# Altium PCB rev3.PcbDoc (part 5 of 7)
Units mil, origin at the board's own origin, x right, y up, seen from the top; angles counter-clockwise.
Board outline 1000 x 800 mil, 2 copper layers (Top Layer, Bottom Layer); 273 components, 16 nets, 2912 pads, 0 vias.
Unrouted connection lines stored in the file: 16.
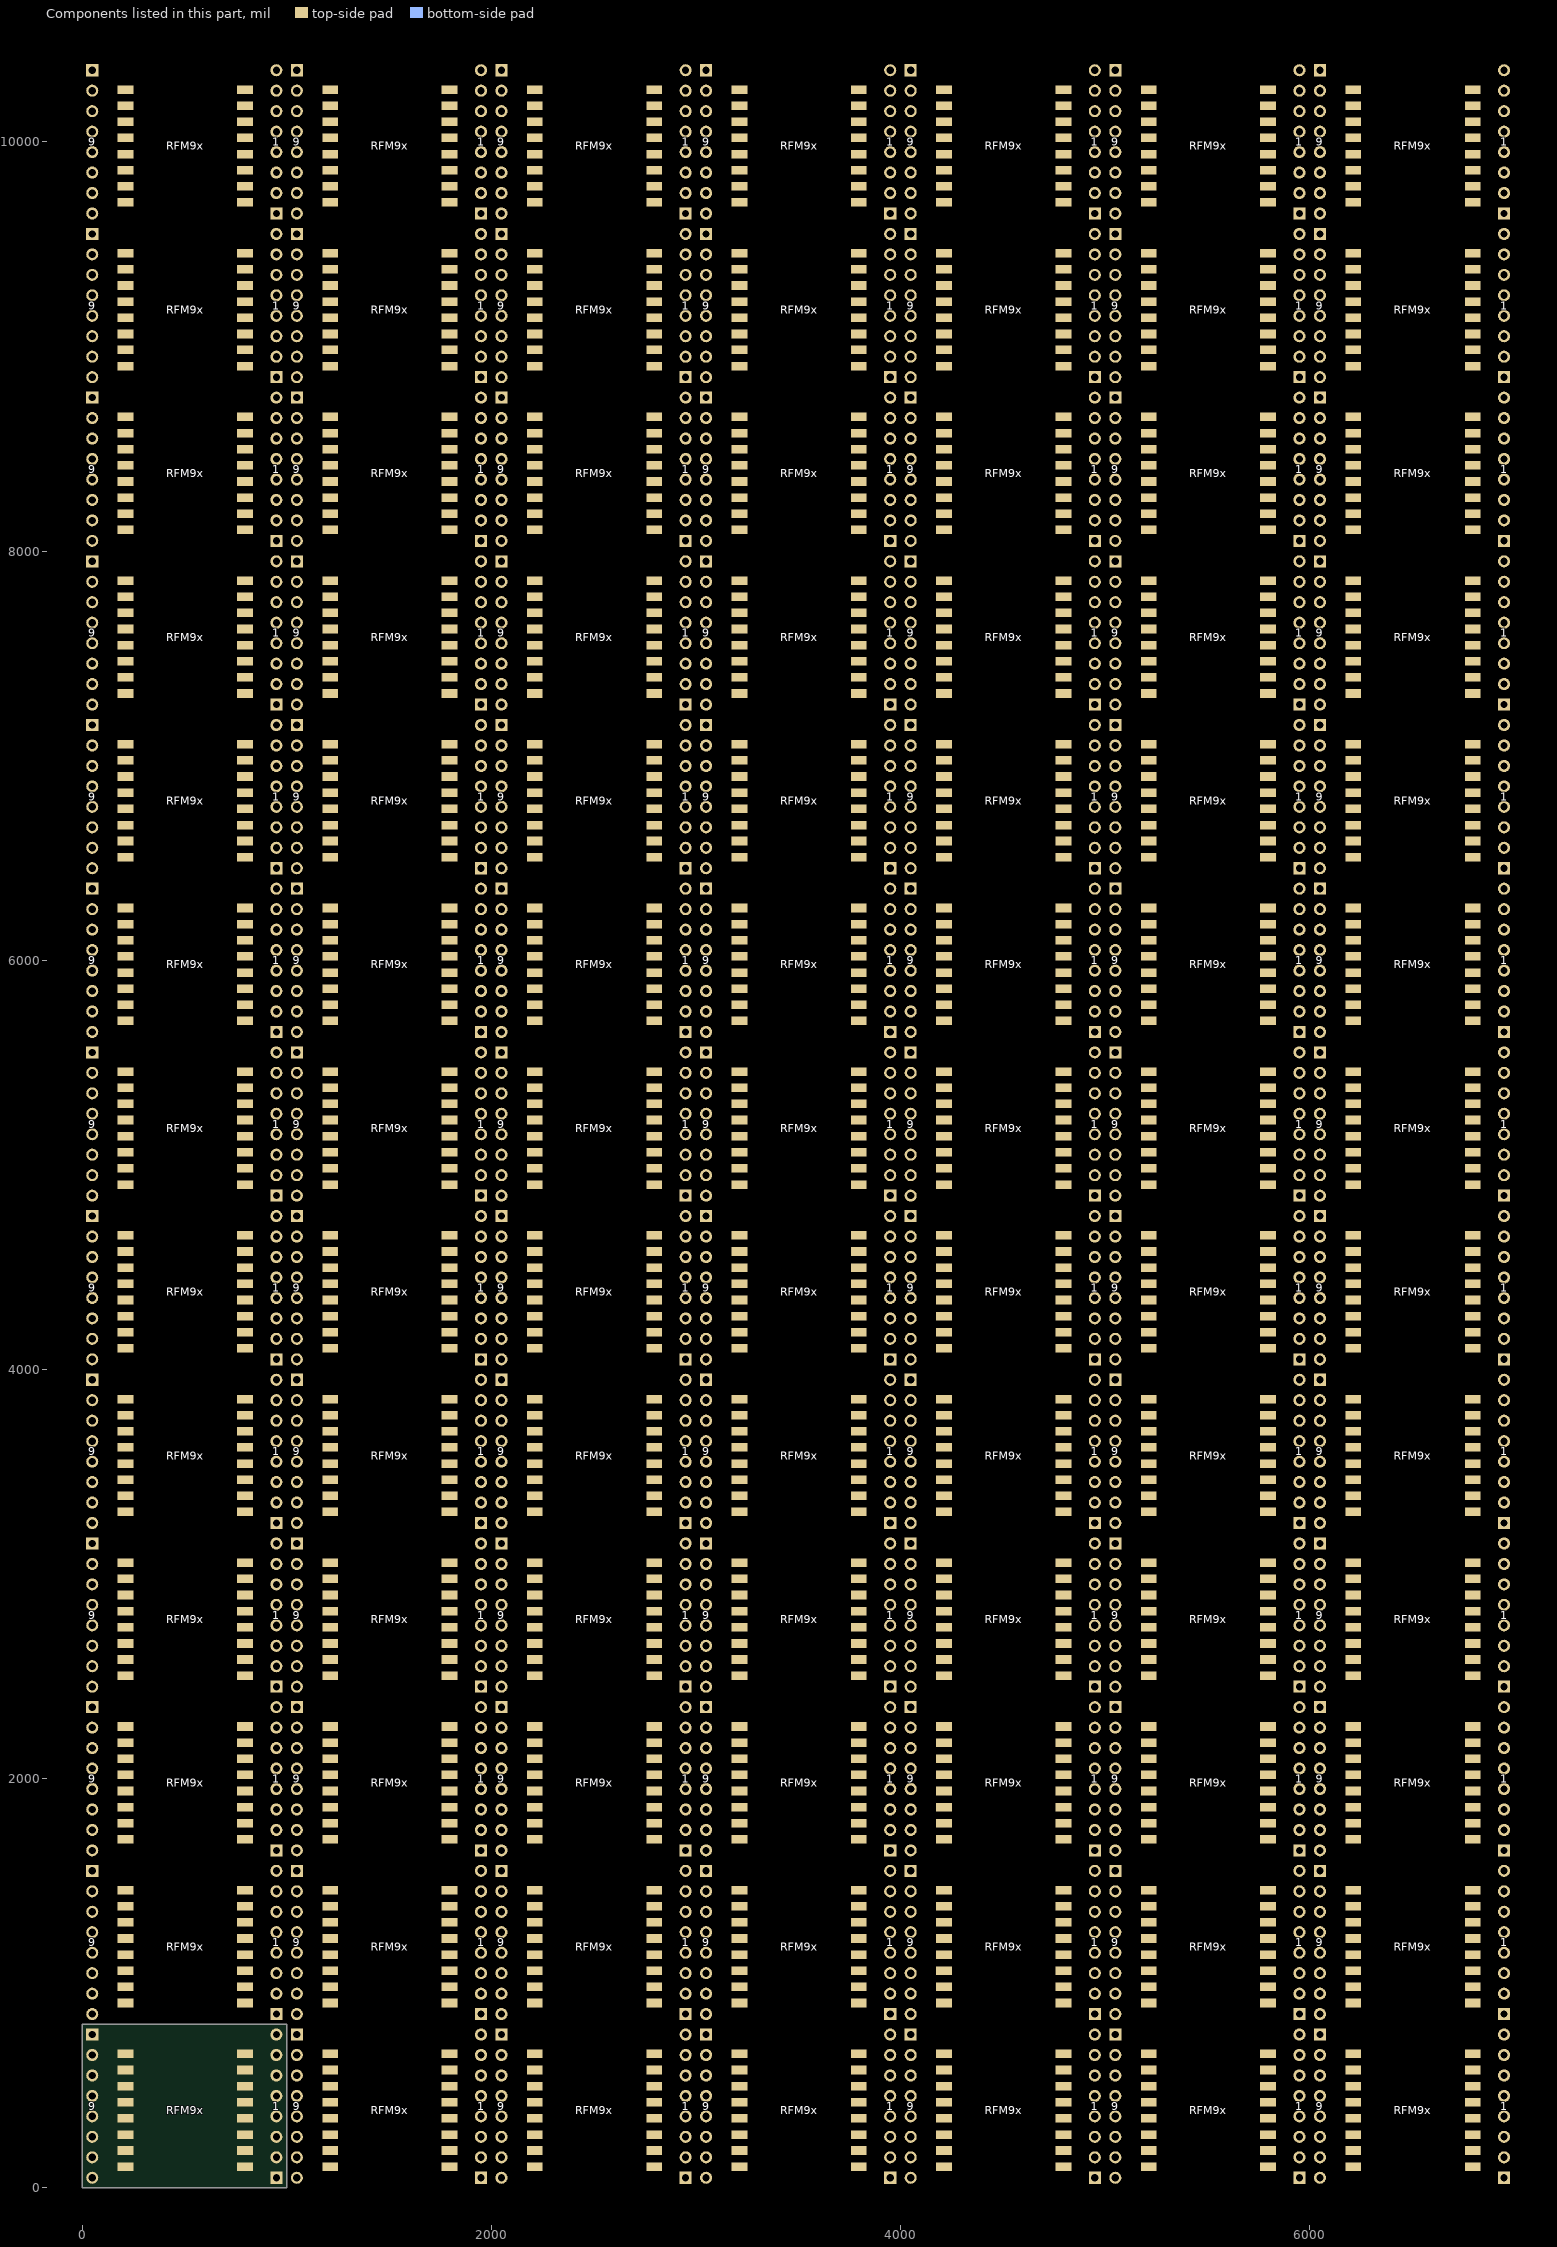
[diagram p5: the components of this part, seen from the top]

## Nets (pads, with @x,y where several pads share a name; then routed paths per layer and width w, separated by ;. In a path a pad name is that pad's centre, name@x,y a point inside that pad or via, vN(x,y) a via of type N, cw(c..) or ccw(c..) an arc to the next point about the centre after c; other vN are vias at no path point) (continued)
copper on no net: (continued)
  Top Layer w32: 4792,499 4889,499 4940,550 4950,550 ; 4792,577 4840.38,577 4878.5,615.12 4878.5,618.5 4910,650 4950,650 ; 4792,656 4886,750 4950,750 ; 4792,904.41 4846.41,850 4950,850 ; 4792,983.15 4840.64,983.15 4873.79,950 4950,950 ; 4792,1061.89 4840.64,1061.89 4852.53,1050 4950,1050 4950,1052.15 ; 4792,1140.63 4940.63,1140.63 4950,1150 ; 4792,1220 4797.18,1214.82 4905.18,1214.82 4940.36,1250 4950,1250 ; 4792,1299 4889,1299 4940,1350 4950,1350 ; 4792,1377 4840.38,1377 4878.5,1415.12 4878.5,1418.5 4910,1450 4950,1450 ; 4792,1456 4886,1550 4950,1550 ; 4792,1704.41 4846.41,1650 4950,1650 ; 4792,1783.15 4840.64,1783.15 4873.79,1750 4950,1750 ; 4792,1861.89 4840.64,1861.89 4852.53,1850 4950,1850 4950,1852.15 ; 4792,1940.63 4940.63,1940.63 4950,1950 ; 4792,2020 4797.18,2014.82 4905.18,2014.82 4940.36,2050 4950,2050 ; 4792,2099 4889,2099 4940,2150 4950,2150 ; 4792,2177 4840.38,2177 4878.5,2215.12 4878.5,2218.5 4910,2250 4950,2250 ; 4792,2256 4886,2350 4950,2350 ; 4792,2504.41 4846.41,2450 4950,2450 ; 4792,2583.15 4840.64,2583.15 4873.79,2550 4950,2550 ; 4792,2661.89 4840.64,2661.89 4852.53,2650 4950,2650 4950,2652.15 ; 4792,2740.63 4940.63,2740.63 4950,2750 ; 4792,2820 4797.18,2814.82 4905.18,2814.82 4940.36,2850 4950,2850 ; 4792,2899 4889,2899 4940,2950 4950,2950 ; 4792,2977 4840.38,2977 4878.5,3015.12 4878.5,3018.5 4910,3050 4950,3050 ; 4792,3056 4886,3150 4950,3150 ; 4792,3304.41 4846.41,3250 4950,3250 ; 4792,3383.15 4840.64,3383.15 4873.79,3350 4950,3350 ; 4792,3461.89 4840.64,3461.89 4852.53,3450 4950,3450 4950,3452.15 ; 4792,3540.63 4940.63,3540.63 4950,3550 ; 4792,3620 4797.18,3614.82 4905.18,3614.82 4940.36,3650 4950,3650 ; 4792,3699 4889,3699 4940,3750 4950,3750 ; 4792,3777 4840.38,3777 4878.5,3815.12 4878.5,3818.5 4910,3850 4950,3850 ; 4792,3856 4886,3950 4950,3950 ; 4792,4104.41 4846.41,4050 4950,4050 ; 4792,4183.15 4840.64,4183.15 4873.79,4150 4950,4150 ; 4792,4261.89 4840.64,4261.89 4852.53,4250 4950,4250 4950,4252.15 ; 4792,4340.63 4940.63,4340.63 4950,4350 ; 4792,4420 4797.18,4414.82 4905.18,4414.82 4940.36,4450 4950,4450 ; 4792,4499 4889,4499 4940,4550 4950,4550 ; 4792,4577 4840.38,4577 4878.5,4615.12 4878.5,4618.5 4910,4650 4950,4650 ; 4792,4656 4886,4750 4950,4750 ; 4792,4904.41 4846.41,4850 4950,4850 ; 4792,4983.15 4840.64,4983.15 4873.79,4950 4950,4950 ; 4792,5061.89 4840.64,5061.89 4852.53,5050 4950,5050 4950,5052.15 ; 4792,5140.63 4940.63,5140.63 4950,5150 ; 4792,5220 4797.18,5214.82 4905.18,5214.82 4940.36,5250 4950,5250 ; 4792,5299 4889,5299 4940,5350 4950,5350 ; 4792,5377 4840.38,5377 4878.5,5415.12 4878.5,5418.5 4910,5450 4950,5450 ; 4792,5456 4886,5550 4950,5550 ; 4792,5704.41 4846.41,5650 4950,5650 ; 4792,5783.15 4840.64,5783.15 4873.79,5750 4950,5750 ; 4792,5861.89 4840.64,5861.89 4852.53,5850 4950,5850 4950,5852.15 ; 4792,5940.63 4940.63,5940.63 4950,5950 ; 4792,6020 4797.18,6014.82 4905.18,6014.82 4940.36,6050 4950,6050 ; 4792,6099 4889,6099 4940,6150 4950,6150 ; 4792,6177 4840.38,6177 4878.5,6215.12 4878.5,6218.5 4910,6250 4950,6250 ; 4792,6256 4886,6350 4950,6350 ; 4792,6504.41 4846.41,6450 4950,6450 ; 4792,6583.15 4840.64,6583.15 4873.79,6550 4950,6550 ; 4792,6661.89 4840.64,6661.89 4852.53,6650 4950,6650 4950,6652.15 ; 4792,6740.63 4940.63,6740.63 4950,6750 ; 4792,6820 4797.18,6814.82 4905.18,6814.82 4940.36,6850 4950,6850 ; 4792,6899 4889,6899 4940,6950 4950,6950 ; 4792,6977 4840.38,6977 4878.5,7015.12 4878.5,7018.5 4910,7050 4950,7050 ; 4792,7056 4886,7150 4950,7150 ; 4792,7304.41 4846.41,7250 4950,7250 ; 4792,7383.15 4840.64,7383.15 4873.79,7350 4950,7350 ; 4792,7461.89 4840.64,7461.89 4852.53,7450 4950,7450 4950,7452.15 ; 4792,7540.63 4940.63,7540.63 4950,7550 ; 4792,7620 4797.18,7614.82 4905.18,7614.82 4940.36,7650 4950,7650 ; 4792,7699 4889,7699 4940,7750 4950,7750 ; 4792,7777 4840.38,7777 4878.5,7815.12 4878.5,7818.5 4910,7850 4950,7850 ; 4792,7856 4886,7950 4950,7950 ; 4792,8104.41 4846.41,8050 4950,8050 ; 4792,8183.15 4840.64,8183.15 4873.79,8150 4950,8150 ; 4792,8261.89 4840.64,8261.89 4852.53,8250 4950,8250 4950,8252.15 ; 4792,8340.63 4940.63,8340.63 4950,8350 ; 4792,8420 4797.18,8414.82 4905.18,8414.82 4940.36,8450 4950,8450 ; 4792,8499 4889,8499 4940,8550 4950,8550 ; 4792,8577 4840.38,8577 4878.5,8615.12 4878.5,8618.5 4910,8650 4950,8650 ; 4792,8656 4886,8750 4950,8750 ; 4792,8904.41 4846.41,8850 4950,8850 ; 4792,8983.15 4840.64,8983.15 4873.79,8950 4950,8950 ; 4792,9061.89 4840.64,9061.89 4852.53,9050 4950,9050 4950,9052.15 ; 4792,9140.63 4940.63,9140.63 4950,9150 ; 4792,9220 4797.18,9214.82 4905.18,9214.82 4940.36,9250 4950,9250 ; 4792,9299 4889,9299 4940,9350 4950,9350 ; 4792,9377 4840.38,9377 4878.5,9415.12 4878.5,9418.5 4910,9450 4950,9450 ; 4792,9456 4886,9550 4950,9550 ; 4792,9704.41 4846.41,9650 4950,9650 ; 4792,9783.15 4840.64,9783.15 4873.79,9750 4950,9750 ; 4792,9861.89 4840.64,9861.89 4852.53,9850 4950,9850 4950,9852.15 ; 4792,9940.63 4940.63,9940.63 4950,9950 ; 4792,10020 4797.18,10014.82 4905.18,10014.82 4940.36,10050 4950,10050 ; 4792,10099 4889,10099 4940,10150 4950,10150 ; 4792,10177 4840.38,10177 4878.5,10215.12 4878.5,10218.5 4910,10250 4950,10250 ; 4792,10256 4886,10350 4950,10350 ; 5050,50 5154.25,50 5208.66,104.41 ; 5050,150 5126.87,150 5160.02,183.15 5208.66,183.15 ; 5050,250 5061.89,261.89 5208.66,261.89 ; 5050,350 5059.37,340.63 5208.66,340.63 ; 5050,450 5059.64,450 5089.64,420 5208.66,420 5208.66,421 ; 5050,550 5059.64,550 5105.64,504 5203.66,504 5208.66,499 ; 5050,650 5090,650 5122.16,617.84 5122.16,615.12 5160.28,577 5208.66,577 ; 5050,750 5114.66,750 5208.66,656 ; 5050,850 5154.25,850 5208.66,904.41 ; 5050,950 5126.87,950 5160.02,983.15 5208.66,983.15 ; 5050,1050 5061.89,1061.89 5208.66,1061.89 ; 5050,1150 5059.37,1140.63 5208.66,1140.63 ; 5050,1250 5059.64,1250 5089.64,1220 5208.66,1220 5208.66,1221 ; 5050,1350 5059.64,1350 5105.64,1304 5203.66,1304 5208.66,1299 ; 5050,1450 5090,1450 5122.16,1417.84 5122.16,1415.12 5160.28,1377 5208.66,1377 ; 5050,1550 5114.66,1550 5208.66,1456 ; 5050,1650 5154.25,1650 5208.66,1704.41 ; 5050,1750 5126.87,1750 5160.02,1783.15 5208.66,1783.15 ; 5050,1850 5061.89,1861.89 5208.66,1861.89 ; 5050,1950 5059.37,1940.63 5208.66,1940.63 ; 5050,2050 5059.64,2050 5089.64,2020 5208.66,2020 5208.66,2021 ; 5050,2150 5059.64,2150 5105.64,2104 5203.66,2104 5208.66,2099 ; 5050,2250 5090,2250 5122.16,2217.84 5122.16,2215.12 5160.28,2177 5208.66,2177 ; 5050,2350 5114.66,2350 5208.66,2256 ; 5050,2450 5154.25,2450 5208.66,2504.41 ; 5050,2550 5126.87,2550 5160.02,2583.15 5208.66,2583.15 ; 5050,2650 5061.89,2661.89 5208.66,2661.89 ; 5050,2750 5059.37,2740.63 5208.66,2740.63 ; 5050,2850 5059.64,2850 5089.64,2820 5208.66,2820 5208.66,2821 ; 5050,2950 5059.64,2950 5105.64,2904 5203.66,2904 5208.66,2899 ; 5050,3050 5090,3050 5122.16,3017.84 5122.16,3015.12 5160.28,2977 5208.66,2977 ; 5050,3150 5114.66,3150 5208.66,3056 ; 5050,3250 5154.25,3250 5208.66,3304.41 ; 5050,3350 5126.87,3350 5160.02,3383.15 5208.66,3383.15 ; 5050,3450 5061.89,3461.89 5208.66,3461.89 ; 5050,3550 5059.37,3540.63 5208.66,3540.63 ; 5050,3650 5059.64,3650 5089.64,3620 5208.66,3620 5208.66,3621 ; 5050,3750 5059.64,3750 5105.64,3704 5203.66,3704 5208.66,3699 ; 5050,3850 5090,3850 5122.16,3817.84 5122.16,3815.12 5160.28,3777 5208.66,3777 ; 5050,3950 5114.66,3950 5208.66,3856 ; 5050,4050 5154.25,4050 5208.66,4104.41 ; 5050,4150 5126.87,4150 5160.02,4183.15 5208.66,4183.15 ; 5050,4250 5061.89,4261.89 5208.66,4261.89 ; 5050,4350 5059.37,4340.63 5208.66,4340.63 ; 5050,4450 5059.64,4450 5089.64,4420 5208.66,4420 5208.66,4421 ; 5050,4550 5059.64,4550 5105.64,4504 5203.66,4504 5208.66,4499 ; 5050,4650 5090,4650 5122.16,4617.84 5122.16,4615.12 5160.28,4577 5208.66,4577 ; 5050,4750 5114.66,4750 5208.66,4656 ; 5050,4850 5154.25,4850 5208.66,4904.41 ; 5050,4950 5126.87,4950 5160.02,4983.15 5208.66,4983.15 ; 5050,5050 5061.89,5061.89 5208.66,5061.89 ; 5050,5150 5059.37,5140.63 5208.66,5140.63 ; 5050,5250 5059.64,5250 5089.64,5220 5208.66,5220 5208.66,5221 ; 5050,5350 5059.64,5350 5105.64,5304 5203.66,5304 5208.66,5299 ; 5050,5450 5090,5450 5122.16,5417.84 5122.16,5415.12 5160.28,5377 5208.66,5377 ; 5050,5550 5114.66,5550 5208.66,5456 ; 5050,5650 5154.25,5650 5208.66,5704.41 ; 5050,5750 5126.87,5750 5160.02,5783.15 5208.66,5783.15 ; 5050,5850 5061.89,5861.89 5208.66,5861.89 ; 5050,5950 5059.37,5940.63 5208.66,5940.63 ; 5050,6050 5059.64,6050 5089.64,6020 5208.66,6020 5208.66,6021 ; 5050,6150 5059.64,6150 5105.64,6104 5203.66,6104 5208.66,6099 ; 5050,6250 5090,6250 5122.16,6217.84 5122.16,6215.12 5160.28,6177 5208.66,6177 ; 5050,6350 5114.66,6350 5208.66,6256 ; 5050,6450 5154.25,6450 5208.66,6504.41 ; 5050,6550 5126.87,6550 5160.02,6583.15 5208.66,6583.15 ; 5050,6650 5061.89,6661.89 5208.66,6661.89 ; 5050,6750 5059.37,6740.63 5208.66,6740.63 ; 5050,6850 5059.64,6850 5089.64,6820 5208.66,6820 5208.66,6821 ; 5050,6950 5059.64,6950 5105.64,6904 5203.66,6904 5208.66,6899 ; 5050,7050 5090,7050 5122.16,7017.84 5122.16,7015.12 5160.28,6977 5208.66,6977 ; 5050,7150 5114.66,7150 5208.66,7056 ; 5050,7250 5154.25,7250 5208.66,7304.41 ; 5050,7350 5126.87,7350 5160.02,7383.15 5208.66,7383.15 ; 5050,7450 5061.89,7461.89 5208.66,7461.89 ; 5050,7550 5059.37,7540.63 5208.66,7540.63 ; 5050,7650 5059.64,7650 5089.64,7620 5208.66,7620 5208.66,7621 ; 5050,7750 5059.64,7750 5105.64,7704 5203.66,7704 5208.66,7699 ; 5050,7850 5090,7850 5122.16,7817.84 5122.16,7815.12 5160.28,7777 5208.66,7777 ; 5050,7950 5114.66,7950 5208.66,7856 ; 5050,8050 5154.25,8050 5208.66,8104.41 ; 5050,8150 5126.87,8150 5160.02,8183.15 5208.66,8183.15 ; 5050,8250 5061.89,8261.89 5208.66,8261.89 ; 5050,8350 5059.37,8340.63 5208.66,8340.63 ; 5050,8450 5059.64,8450 5089.64,8420 5208.66,8420 5208.66,8421 ; 5050,8550 5059.64,8550 5105.64,8504 5203.66,8504 5208.66,8499 ; 5050,8650 5090,8650 5122.16,8617.84 5122.16,8615.12 5160.28,8577 5208.66,8577 ; 5050,8750 5114.66,8750 5208.66,8656 ; 5050,8850 5154.25,8850 5208.66,8904.41 ; 5050,8950 5126.87,8950 5160.02,8983.15 5208.66,8983.15 ; 5050,9050 5061.89,9061.89 5208.66,9061.89 ; 5050,9150 5059.37,9140.63 5208.66,9140.63 ; 5050,9250 5059.64,9250 5089.64,9220 5208.66,9220 5208.66,9221 ; 5050,9350 5059.64,9350 5105.64,9304 5203.66,9304 5208.66,9299 ; 5050,9450 5090,9450 5122.16,9417.84 5122.16,9415.12 5160.28,9377 5208.66,9377 ; 5050,9550 5114.66,9550 5208.66,9456 ; 5050,9650 5154.25,9650 5208.66,9704.41 ; 5050,9750 5126.87,9750 5160.02,9783.15 5208.66,9783.15 ; 5050,9850 5061.89,9861.89 5208.66,9861.89 ; 5050,9950 5059.37,9940.63 5208.66,9940.63 ; 5050,10050 5059.64,10050 5089.64,10020 5208.66,10020 5208.66,10021 ; 5050,10150 5059.64,10150 5105.64,10104 5203.66,10104 5208.66,10099 ; 5050,10250 5090,10250 5122.16,10217.84 5122.16,10215.12 5160.28,10177 5208.66,10177 ; 5050,10350 5114.66,10350 5208.66,10256 ; 5792,104.41 5846.41,50 5950,50 ; 5792,183.15 5840.64,183.15 5873.79,150 5950,150 ; 5792,261.89 5840.64,261.89 5852.53,250 5950,250 5950,252.15 ; 5792,340.63 5940.63,340.63 5950,350 ; 5792,420 5797.18,414.82 5905.18,414.82 5940.36,450 5950,450 ; 5792,499 5889,499 5940,550 5950,550 ; 5792,577 5840.38,577 5878.5,615.12 5878.5,618.5 5910,650 5950,650 ; 5792,656 5886,750 5950,750 ; 5792,904.41 5846.41,850 5950,850 ; 5792,983.15 5840.64,983.15 5873.79,950 5950,950 ; 5792,1061.89 5840.64,1061.89 5852.53,1050 5950,1050 5950,1052.15 ; 5792,1140.63 5940.63,1140.63 5950,1150 ; 5792,1220 5797.18,1214.82 5905.18,1214.82 5940.36,1250 5950,1250 ; 5792,1299 5889,1299 5940,1350 5950,1350 ; 5792,1377 5840.38,1377 5878.5,1415.12 5878.5,1418.5 5910,1450 5950,1450 ; 5792,1456 5886,1550 5950,1550 ; 5792,1704.41 5846.41,1650 5950,1650 ; 5792,1783.15 5840.64,1783.15 5873.79,1750 5950,1750 ; 5792,1861.89 5840.64,1861.89 5852.53,1850 5950,1850 5950,1852.15 ; 5792,1940.63 5940.63,1940.63 5950,1950 ; 5792,2020 5797.18,2014.82 5905.18,2014.82 5940.36,2050 5950,2050 ; 5792,2099 5889,2099 5940,2150 5950,2150 ; 5792,2177 5840.38,2177 5878.5,2215.12 5878.5,2218.5 5910,2250 5950,2250 ; 5792,2256 5886,2350 5950,2350 ; 5792,2504.41 5846.41,2450 5950,2450 ; 5792,2583.15 5840.64,2583.15 5873.79,2550 5950,2550 ; 5792,2661.89 5840.64,2661.89 5852.53,2650 5950,2650 5950,2652.15 ; 5792,2740.63 5940.63,2740.63 5950,2750 ; 5792,2820 5797.18,2814.82 5905.18,2814.82 5940.36,2850 5950,2850 ; 5792,2899 5889,2899 5940,2950 5950,2950 ; 5792,2977 5840.38,2977 5878.5,3015.12 5878.5,3018.5 5910,3050 5950,3050 ; 5792,3056 5886,3150 5950,3150 ; 5792,3304.41 5846.41,3250 5950,3250 ; 5792,3383.15 5840.64,3383.15 5873.79,3350 5950,3350 ; 5792,3461.89 5840.64,3461.89 5852.53,3450 5950,3450 5950,3452.15 ; 5792,3540.63 5940.63,3540.63 5950,3550 ; 5792,3620 5797.18,3614.82 5905.18,3614.82 5940.36,3650 5950,3650 ; 5792,3699 5889,3699 5940,3750 5950,3750 ; 5792,3777 5840.38,3777 5878.5,3815.12 5878.5,3818.5 5910,3850 5950,3850 ; 5792,3856 5886,3950 5950,3950 ; 5792,4104.41 5846.41,4050 5950,4050 ; 5792,4183.15 5840.64,4183.15 5873.79,4150 5950,4150 ; 5792,4261.89 5840.64,4261.89 5852.53,4250 5950,4250 5950,4252.15 ; 5792,4340.63 5940.63,4340.63 5950,4350 ; 5792,4420 5797.18,4414.82 5905.18,4414.82 5940.36,4450 5950,4450 ; 5792,4499 5889,4499 5940,4550 5950,4550 ; 5792,4577 5840.38,4577 5878.5,4615.12 5878.5,4618.5 5910,4650 5950,4650 ; 5792,4656 5886,4750 5950,4750 ; 5792,4904.41 5846.41,4850 5950,4850 ; 5792,4983.15 5840.64,4983.15 5873.79,4950 5950,4950 ; 5792,5061.89 5840.64,5061.89 5852.53,5050 5950,5050 5950,5052.15 ; 5792,5140.63 5940.63,5140.63 5950,5150 ; 5792,5220 5797.18,5214.82 5905.18,5214.82 5940.36,5250 5950,5250 ; 5792,5299 5889,5299 5940,5350 5950,5350 ; 5792,5377 5840.38,5377 5878.5,5415.12 5878.5,5418.5 5910,5450 5950,5450 ; 5792,5456 5886,5550 5950,5550 ; 5792,5704.41 5846.41,5650 5950,5650 ; 5792,5783.15 5840.64,5783.15 5873.79,5750 5950,5750 ; 5792,5861.89 5840.64,5861.89 5852.53,5850 5950,5850 5950,5852.15 ; 5792,5940.63 5940.63,5940.63 5950,5950 ; 5792,6020 5797.18,6014.82 5905.18,6014.82 5940.36,6050 5950,6050 ; 5792,6099 5889,6099 5940,6150 5950,6150 ; 5792,6177 5840.38,6177 5878.5,6215.12 5878.5,6218.5 5910,6250 5950,6250 ; 5792,6256 5886,6350 5950,6350 ; 5792,6504.41 5846.41,6450 5950,6450 ; 5792,6583.15 5840.64,6583.15 5873.79,6550 5950,6550 ; 5792,6661.89 5840.64,6661.89 5852.53,6650 5950,6650 5950,6652.15 ; 5792,6740.63 5940.63,6740.63 5950,6750 ; 5792,6820 5797.18,6814.82 5905.18,6814.82 5940.36,6850 5950,6850 ; 5792,6899 5889,6899 5940,6950 5950,6950 ; 5792,6977 5840.38,6977 5878.5,7015.12 5878.5,7018.5 5910,7050 5950,7050 ; 5792,7056 5886,7150 5950,7150 ; 5792,7304.41 5846.41,7250 5950,7250 ; 5792,7383.15 5840.64,7383.15 5873.79,7350 5950,7350 ; 5792,7461.89 5840.64,7461.89 5852.53,7450 5950,7450 5950,7452.15 ; 5792,7540.63 5940.63,7540.63 5950,7550 ; 5792,7620 5797.18,7614.82 5905.18,7614.82 5940.36,7650 5950,7650 ; 5792,7699 5889,7699 5940,7750 5950,7750 ; 5792,7777 5840.38,7777 5878.5,7815.12 5878.5,7818.5 5910,7850 5950,7850 ; 5792,7856 5886,7950 5950,7950 ; 5792,8104.41 5846.41,8050 5950,8050 ; 5792,8183.15 5840.64,8183.15 5873.79,8150 5950,8150 ; 5792,8261.89 5840.64,8261.89 5852.53,8250 5950,8250 5950,8252.15 ; 5792,8340.63 5940.63,8340.63 5950,8350 ; 5792,8420 5797.18,8414.82 5905.18,8414.82 5940.36,8450 5950,8450 ; 5792,8499 5889,8499 5940,8550 5950,8550 ; 5792,8577 5840.38,8577 5878.5,8615.12 5878.5,8618.5 5910,8650 5950,8650 ; 5792,8656 5886,8750 5950,8750 ; 5792,8904.41 5846.41,8850 5950,8850 ; 5792,8983.15 5840.64,8983.15 5873.79,8950 5950,8950 ; 5792,9061.89 5840.64,9061.89 5852.53,9050 5950,9050 5950,9052.15 ; 5792,9140.63 5940.63,9140.63 5950,9150 ; 5792,9220 5797.18,9214.82 5905.18,9214.82 5940.36,9250 5950,9250 ; 5792,9299 5889,9299 5940,9350 5950,9350 ; 5792,9377 5840.38,9377 5878.5,9415.12 5878.5,9418.5 5910,9450 5950,9450 ; 5792,9456 5886,9550 5950,9550 ; 5792,9704.41 5846.41,9650 5950,9650 ; 5792,9783.15 5840.64,9783.15 5873.79,9750 5950,9750 ; 5792,9861.89 5840.64,9861.89 5852.53,9850 5950,9850 5950,9852.15 ; 5792,9940.63 5940.63,9940.63 5950,9950 ; 5792,10020 5797.18,10014.82 5905.18,10014.82 5940.36,10050 5950,10050 ; 5792,10099 5889,10099 5940,10150 5950,10150 ; 5792,10177 5840.38,10177 5878.5,10215.12 5878.5,10218.5 5910,10250 5950,10250 ; 5792,10256 5886,10350 5950,10350 ; 6050,50 6154.25,50 6208.66,104.41 ; 6050,150 6126.87,150 6160.02,183.15 6208.66,183.15 ; 6050,250 6061.89,261.89 6208.66,261.89 ; 6050,350 6059.37,340.63 6208.66,340.63 ; 6050,450 6059.64,450 6089.64,420 6208.66,420 6208.66,421 ; 6050,550 6059.64,550 6105.64,504 6203.66,504 6208.66,499 ; 6050,650 6090,650 6122.16,617.84 6122.16,615.12 6160.28,577 6208.66,577 ; 6050,750 6114.66,750 6208.66,656 ; 6050,850 6154.25,850 6208.66,904.41 ; 6050,950 6126.87,950 6160.02,983.15 6208.66,983.15 ; 6050,1050 6061.89,1061.89 6208.66,1061.89 ; 6050,1150 6059.37,1140.63 6208.66,1140.63 ; 6050,1250 6059.64,1250 6089.64,1220 6208.66,1220 6208.66,1221 ; 6050,1350 6059.64,1350 6105.64,1304 6203.66,1304 6208.66,1299 ; 6050,1450 6090,1450 6122.16,1417.84 6122.16,1415.12 6160.28,1377 6208.66,1377 ; 6050,1550 6114.66,1550 6208.66,1456 ; 6050,1650 6154.25,1650 6208.66,1704.41 ; 6050,1750 6126.87,1750 6160.02,1783.15 6208.66,1783.15 ; 6050,1850 6061.89,1861.89 6208.66,1861.89 ; 6050,1950 6059.37,1940.63 6208.66,1940.63 ; 6050,2050 6059.64,2050 6089.64,2020 6208.66,2020 6208.66,2021 ; 6050,2150 6059.64,2150 6105.64,2104 6203.66,2104 6208.66,2099 ; 6050,2250 6090,2250 6122.16,2217.84 6122.16,2215.12 6160.28,2177 6208.66,2177 ; 6050,2350 6114.66,2350 6208.66,2256 ; 6050,2450 6154.25,2450 6208.66,2504.41 ; 6050,2550 6126.87,2550 6160.02,2583.15 6208.66,2583.15 ; 6050,2650 6061.89,2661.89 6208.66,2661.89 ; 6050,2750 6059.37,2740.63 6208.66,2740.63 ; 6050,2850 6059.64,2850 6089.64,2820 6208.66,2820 6208.66,2821 ; 6050,2950 6059.64,2950 6105.64,2904 6203.66,2904 6208.66,2899 ; 6050,3050 6090,3050 6122.16,3017.84 6122.16,3015.12 6160.28,2977 6208.66,2977 ; 6050,3150 6114.66,3150 6208.66,3056 ; 6050,3250 6154.25,3250 6208.66,3304.41 ; 6050,3350 6126.87,3350 6160.02,3383.15 6208.66,3383.15 ; 6050,3450 6061.89,3461.89 6208.66,3461.89 ; 6050,3550 6059.37,3540.63 6208.66,3540.63 ; 6050,3650 6059.64,3650 6089.64,3620 6208.66,3620 6208.66,3621 ; 6050,3750 6059.64,3750 6105.64,3704 6203.66,3704 6208.66,3699 ; 6050,3850 6090,3850 6122.16,3817.84 6122.16,3815.12 6160.28,3777 6208.66,3777 ; 6050,3950 6114.66,3950 6208.66,3856 ; 6050,4050 6154.25,4050 6208.66,4104.41 ; 6050,4150 6126.87,4150 6160.02,4183.15 6208.66,4183.15 ; 6050,4250 6061.89,4261.89 6208.66,4261.89 ; 6050,4350 6059.37,4340.63 6208.66,4340.63 ; 6050,4450 6059.64,4450 6089.64,4420 6208.66,4420 6208.66,4421 ; 6050,4550 6059.64,4550 6105.64,4504 6203.66,4504 6208.66,4499 ; 6050,4650 6090,4650 6122.16,4617.84 6122.16,4615.12 6160.28,4577 6208.66,4577 ; 6050,4750 6114.66,4750 6208.66,4656 ; 6050,4850 6154.25,4850 6208.66,4904.41 ; 6050,4950 6126.87,4950 6160.02,4983.15 6208.66,4983.15 ; 6050,5050 6061.89,5061.89 6208.66,5061.89 ; 6050,5150 6059.37,5140.63 6208.66,5140.63 ; 6050,5250 6059.64,5250 6089.64,5220 6208.66,5220 6208.66,5221 ; 6050,5350 6059.64,5350 6105.64,5304 6203.66,5304 6208.66,5299 ; 6050,5450 6090,5450 6122.16,5417.84 6122.16,5415.12 6160.28,5377 6208.66,5377 ; 6050,5550 6114.66,5550 6208.66,5456 ; 6050,5650 6154.25,5650 6208.66,5704.41 ; 6050,5750 6126.87,5750 6160.02,5783.15 6208.66,5783.15 ; 6050,5850 6061.89,5861.89 6208.66,5861.89 ; 6050,5950 6059.37,5940.63 6208.66,5940.63 ; 6050,6050 6059.64,6050 6089.64,6020 6208.66,6020 6208.66,6021 ; 6050,6150 6059.64,6150 6105.64,6104 6203.66,6104 6208.66,6099 ; 6050,6250 6090,6250 6122.16,6217.84 6122.16,6215.12 6160.28,6177 6208.66,6177 ; 6050,6350 6114.66,6350 6208.66,6256 ; 6050,6450 6154.25,6450 6208.66,6504.41 ; 6050,6550 6126.87,6550 6160.02,6583.15 6208.66,6583.15 ; 6050,6650 6061.89,6661.89 6208.66,6661.89 ; 6050,6750 6059.37,6740.63 6208.66,6740.63 ; 6050,6850 6059.64,6850 6089.64,6820 6208.66,6820 6208.66,6821 ; 6050,6950 6059.64,6950 6105.64,6904 6203.66,6904 6208.66,6899 ; 6050,7050 6090,7050 6122.16,7017.84 6122.16,7015.12 6160.28,6977 6208.66,6977 ; 6050,7150 6114.66,7150 6208.66,7056 ; 6050,7250 6154.25,7250 6208.66,7304.41 ; 6050,7350 6126.87,7350 6160.02,7383.15 6208.66,7383.15 ; 6050,7450 6061.89,7461.89 6208.66,7461.89 ; 6050,7550 6059.37,7540.63 6208.66,7540.63 ; 6050,7650 6059.64,7650 6089.64,7620 6208.66,7620 6208.66,7621 ; 6050,7750 6059.64,7750 6105.64,7704 6203.66,7704 6208.66,7699 ; 6050,7850 6090,7850 6122.16,7817.84 6122.16,7815.12 6160.28,7777 6208.66,7777 ; 6050,7950 6114.66,7950 6208.66,7856 ; 6050,8050 6154.25,8050 6208.66,8104.41 ; 6050,8150 6126.87,8150 6160.02,8183.15 6208.66,8183.15 ; 6050,8250 6061.89,8261.89 6208.66,8261.89 ; 6050,8350 6059.37,8340.63 6208.66,8340.63 ; 6050,8450 6059.64,8450 6089.64,8420 6208.66,8420 6208.66,8421 ; 6050,8550 6059.64,8550 6105.64,8504 6203.66,8504 6208.66,8499 ; 6050,8650 6090,8650 6122.16,8617.84 6122.16,8615.12 6160.28,8577 6208.66,8577 ; 6050,8750 6114.66,8750 6208.66,8656 ; 6050,8850 6154.25,8850 6208.66,8904.41 ; 6050,8950 6126.87,8950 6160.02,8983.15 6208.66,8983.15 ; 6050,9050 6061.89,9061.89 6208.66,9061.89 ; 6050,9150 6059.37,9140.63 6208.66,9140.63 ; 6050,9250 6059.64,9250 6089.64,9220 6208.66,9220 6208.66,9221 ; 6050,9350 6059.64,9350 6105.64,9304 6203.66,9304 6208.66,9299 ; 6050,9450 6090,9450 6122.16,9417.84 6122.16,9415.12 6160.28,9377 6208.66,9377 ; 6050,9550 6114.66,9550 6208.66,9456 ; 6050,9650 6154.25,9650 6208.66,9704.41 ; 6050,9750 6126.87,9750 6160.02,9783.15 6208.66,9783.15 ; 6050,9850 6061.89,9861.89 6208.66,9861.89 ; 6050,9950 6059.37,9940.63 6208.66,9940.63 ; 6050,10050 6059.64,10050 6089.64,10020 6208.66,10020 6208.66,10021 ; 6050,10150 6059.64,10150 6105.64,10104 6203.66,10104 6208.66,10099 ; 6050,10250 6090,10250 6122.16,10217.84 6122.16,10215.12 6160.28,10177 6208.66,10177 ; 6050,10350 6114.66,10350 6208.66,10256 ; 6792,104.41 6846.41,50 6950,50 ; 6792,183.15 6840.64,183.15 6873.79,150 6950,150 ; 6792,261.89 6840.64,261.89 6852.53,250 6950,250 6950,252.15 ; 6792,340.63 6940.63,340.63 6950,350 ; 6792,420 6797.18,414.82 6905.18,414.82 6940.36,450 6950,450 ; 6792,499 6889,499 6940,550 6950,550 ; 6792,577 6840.38,577 6878.5,615.12 6878.5,618.5 6910,650 6950,650 ; 6792,656 6886,750 6950,750 ; 6792,904.41 6846.41,850 6950,850 ; 6792,983.15 6840.64,983.15 6873.79,950 6950,950 ; 6792,1061.89 6840.64,1061.89 6852.53,1050 6950,1050 6950,1052.15 ; 6792,1140.63 6940.63,1140.63 6950,1150 ; 6792,1220 6797.18,1214.82 6905.18,1214.82 6940.36,1250 6950,1250 ; 6792,1299 6889,1299 6940,1350 6950,1350 ; 6792,1377 6840.38,1377 6878.5,1415.12 6878.5,1418.5 6910,1450 6950,1450 ; 6792,1456 6886,1550 6950,1550 ; 6792,1704.41 6846.41,1650 6950,1650 ; 6792,1783.15 6840.64,1783.15 6873.79,1750 6950,1750 ; 6792,1861.89 6840.64,1861.89 6852.53,1850 6950,1850 6950,1852.15 ; 6792,1940.63 6940.63,1940.63 6950,1950 ; 6792,2020 6797.18,2014.82 6905.18,2014.82 6940.36,2050 6950,2050 ; 6792,2099 6889,2099 6940,2150 6950,2150 ; 6792,2177 6840.38,2177 6878.5,2215.12 6878.5,2218.5 6910,2250 6950,2250 ; 6792,2256 6886,2350 6950,2350 ; 6792,2504.41 6846.41,2450 6950,2450 ; 6792,2583.15 6840.64,2583.15 6873.79,2550 6950,2550 ; 6792,2661.89 6840.64,2661.89 6852.53,2650 6950,2650 6950,2652.15 ; 6792,2740.63 6940.63,2740.63 6950,2750 ; 6792,2820 6797.18,2814.82 6905.18,2814.82 6940.36,2850 6950,2850 ; 6792,2899 6889,2899 6940,2950 6950,2950 ; 6792,2977 6840.38,2977 6878.5,3015.12 6878.5,3018.5 6910,3050 6950,3050 ; 6792,3056 6886,3150 6950,3150 ; 6792,3304.41 6846.41,3250 6950,3250 ; 6792,3383.15 6840.64,3383.15 6873.79,3350 6950,3350 ; 6792,3461.89 6840.64,3461.89 6852.53,3450 6950,3450 6950,3452.15 ; 6792,3540.63 6940.63,3540.63 6950,3550 ; 6792,3620 6797.18,3614.82 6905.18,3614.82 6940.36,3650 6950,3650 ; 6792,3699 6889,3699 6940,3750 6950,3750 ; 6792,3777 6840.38,3777 6878.5,3815.12 6878.5,3818.5 6910,3850 6950,3850 ; 6792,3856 6886,3950 6950,3950 ; 6792,4104.41 6846.41,4050 6950,4050 ; 6792,4183.15 6840.64,4183.15 6873.79,4150 6950,4150 ; 6792,4261.89 6840.64,4261.89 6852.53,4250 6950,4250 6950,4252.15 ; 6792,4340.63 6940.63,4340.63 6950,4350 ; 6792,4420 6797.18,4414.82 6905.18,4414.82 6940.36,4450 6950,4450 ; 6792,4499 6889,4499 6940,4550 6950,4550 ; 6792,4577 6840.38,4577 6878.5,4615.12 6878.5,4618.5 6910,4650 6950,4650 ; 6792,4656 6886,4750 6950,4750 ; 6792,4904.41 6846.41,4850 6950,4850 ; 6792,4983.15 6840.64,4983.15 6873.79,4950 6950,4950 ; 6792,5061.89 6840.64,5061.89 6852.53,5050 6950,5050 6950,5052.15 ; 6792,5140.63 6940.63,5140.63 6950,5150 ; 6792,5220 6797.18,5214.82 6905.18,5214.82 6940.36,5250 6950,5250 ; 6792,5299 6889,5299 6940,5350 6950,5350 ; 6792,5377 6840.38,5377 6878.5,5415.12 6878.5,5418.5 6910,5450 6950,5450 ; 6792,5456 6886,5550 6950,5550 ; 6792,5704.41 6846.41,5650 6950,5650 ; 6792,5783.15 6840.64,5783.15 6873.79,5750 6950,5750 ; 6792,5861.89 6840.64,5861.89 6852.53,5850 6950,5850 6950,5852.15 ; 6792,5940.63 6940.63,5940.63 6950,5950 ; 6792,6020 6797.18,6014.82 6905.18,6014.82 6940.36,6050 6950,6050 ; 6792,6099 6889,6099 6940,6150 6950,6150 ; 6792,6177 6840.38,6177 6878.5,6215.12 6878.5,6218.5 6910,6250 6950,6250 ; 6792,6256 6886,6350 6950,6350 ; 6792,6504.41 6846.41,6450 6950,6450 ; 6792,6583.15 6840.64,6583.15 6873.79,6550 6950,6550 ; 6792,6661.89 6840.64,6661.89 6852.53,6650 6950,6650 6950,6652.15 ; 6792,6740.63 6940.63,6740.63 6950,6750 ; 6792,6820 6797.18,6814.82 6905.18,6814.82 6940.36,6850 6950,6850 ; 6792,6899 6889,6899 6940,6950 6950,6950 ; 6792,6977 6840.38,6977 6878.5,7015.12 6878.5,7018.5 6910,7050 6950,7050 ; 6792,7056 6886,7150 6950,7150 ; 6792,7304.41 6846.41,7250 6950,7250 ; 6792,7383.15 6840.64,7383.15 6873.79,7350 6950,7350 ; 6792,7461.89 6840.64,7461.89 6852.53,7450 6950,7450 6950,7452.15 ; 6792,7540.63 6940.63,7540.63 6950,7550 ; 6792,7620 6797.18,7614.82 6905.18,7614.82 6940.36,7650 6950,7650 ; 6792,7699 6889,7699 6940,7750 6950,7750 ; 6792,7777 6840.38,7777 6878.5,7815.12 6878.5,7818.5 6910,7850 6950,7850 ; 6792,7856 6886,7950 6950,7950 ; 6792,8104.41 6846.41,8050 6950,8050 ; 6792,8183.15 6840.64,8183.15 6873.79,8150 6950,8150 ; 6792,8261.89 6840.64,8261.89 6852.53,8250 6950,8250 6950,8252.15 ; 6792,8340.63 6940.63,8340.63 6950,8350 ; 6792,8420 6797.18,8414.82 6905.18,8414.82 6940.36,8450 6950,8450 ; 6792,8499 6889,8499 6940,8550 6950,8550 ; 6792,8577 6840.38,8577 6878.5,8615.12 6878.5,8618.5 6910,8650 6950,8650 ; 6792,8656 6886,8750 6950,8750 ; 6792,8904.41 6846.41,8850 6950,8850 ; 6792,8983.15 6840.64,8983.15 6873.79,8950 6950,8950 ; 6792,9061.89 6840.64,9061.89 6852.53,9050 6950,9050 6950,9052.15 ; 6792,9140.63 6940.63,9140.63 6950,9150 ; 6792,9220 6797.18,9214.82 6905.18,9214.82 6940.36,9250 6950,9250 ; 6792,9299 6889,9299 6940,9350 6950,9350 ; 6792,9377 6840.38,9377 6878.5,9415.12 6878.5,9418.5 6910,9450 6950,9450 ; 6792,9456 6886,9550 6950,9550 ; 6792,9704.41 6846.41,9650 6950,9650 ; 6792,9783.15 6840.64,9783.15 6873.79,9750 6950,9750 ; 6792,9861.89 6840.64,9861.89 6852.53,9850 6950,9850 6950,9852.15 ; 6792,9940.63 6940.63,9940.63 6950,9950 ; 6792,10020 6797.18,10014.82 6905.18,10014.82 6940.36,10050 6950,10050 ; 6792,10099 6889,10099 6940,10150 6950,10150 ; 6792,10177 6840.38,10177 6878.5,10215.12 6878.5,10218.5 6910,10250 6950,10250 ; 6792,10256 6886,10350 6950,10350